# Altium PCB intercomm.PcbDoc (part 1 of 2) (continued)
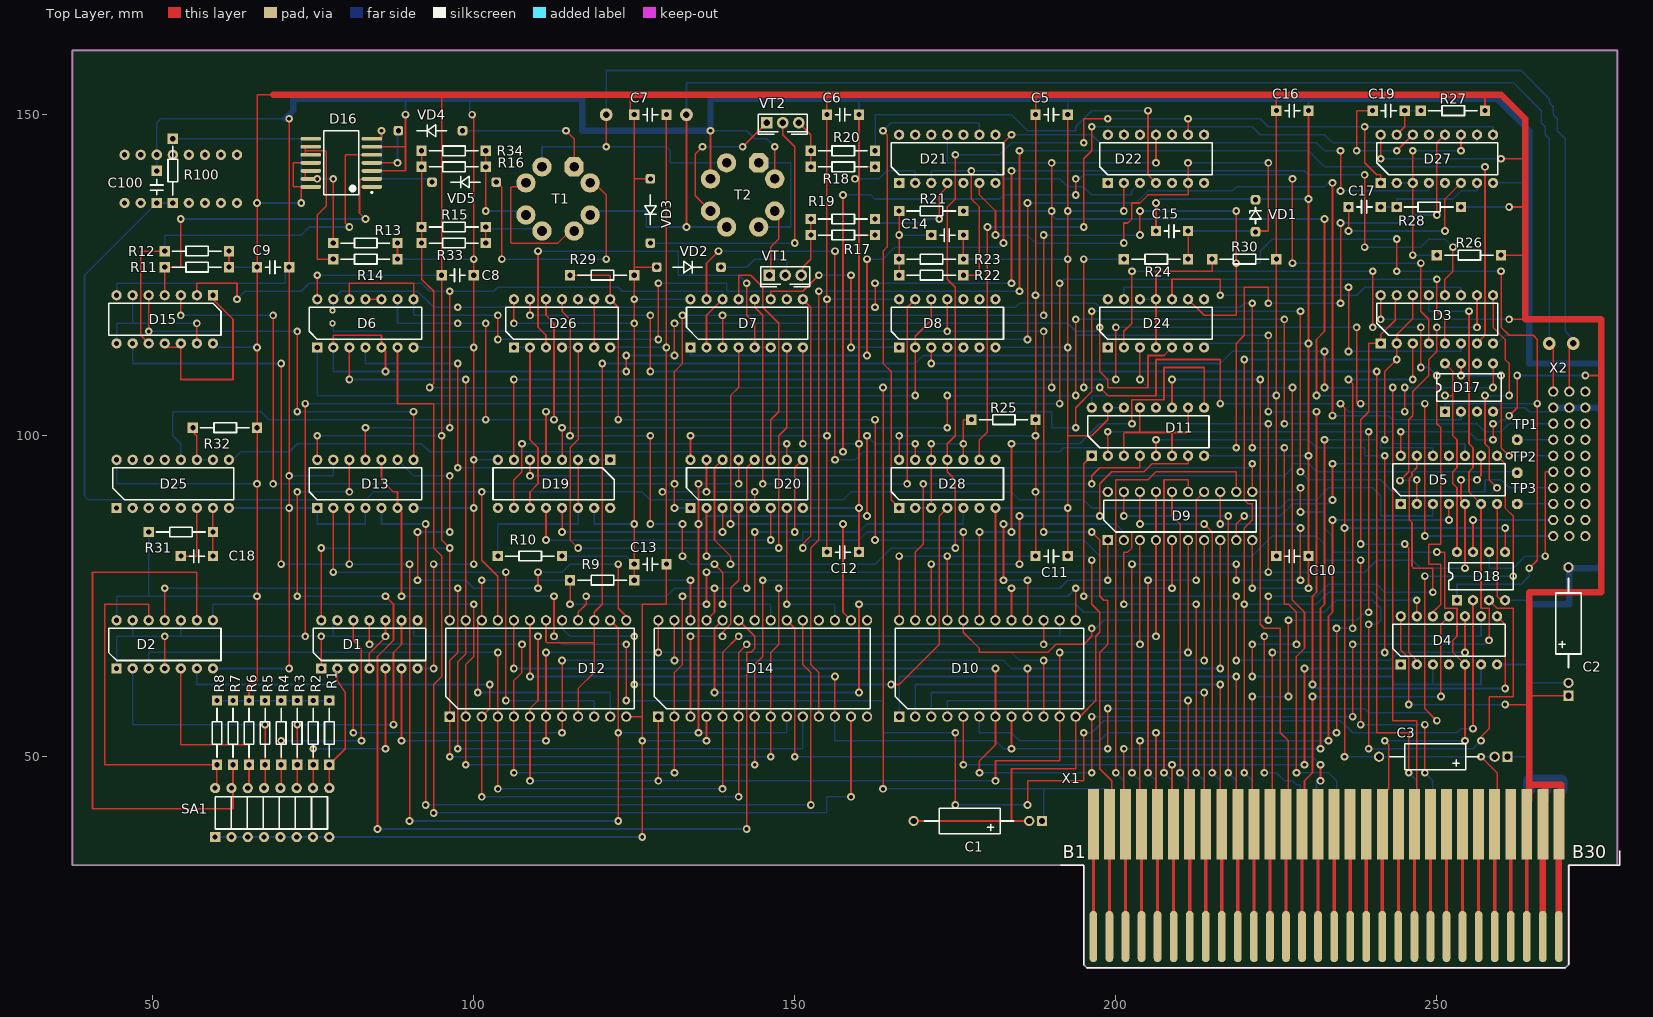
[diagram p0: Top Layer view]
## Free pads (board coordinates)
  round 1.6 hole 0.8: 1(45.625,136.25) 1(45.625,143.75) 1(48.125,136.25) 1(48.125,143.75) 1(53.125,143.75) 1(55.625,136.25) 1(55.625,143.75) 1(58.125,136.25) 1(58.125,143.75) 1(60.625,136.25) 1(60.625,143.75) 1(63.125,136.25) 1(63.125,143.75)
  round 1 hole 0.5: 1(78,117.5) 1(78,119.5)
  round 2 hole 1: 1(120.625,150) 1(133.125,150)

## Via types
v1: diameter 1.2, hole 0.6, Top Layer to Bottom Layer, 581 vias
v2: diameter 2, hole 1, Top Layer to Bottom Layer, 2 vias
v3: diameter 1.6, hole 0.8, Top Layer to Bottom Layer, 1 vias

## Nets (pads, with @x,y where several pads share a name; then routed paths per layer and width w, separated by ;. In a path a pad name is that pad's centre, name@x,y a point inside that pad or via, vN(x,y) a via of type N, cw(c..) or ccw(c..) an arc to the next point about the centre after c; other vN are vias at no path point)
+5В: C2.1 C5.1 C6.1 C7.1 C8.1 C9.1 C10.1 C11.1 C12.1 C13.1 C16.1 D1.14 D2.14 D3.16 D4.14 D5.14 D6.14 D7.16 D8.14 D9.20 D10.21 D10.24 D11.16 D12.24 D13.14 D14.26 D15.14 D16.11 D16.14 D19.15 D20.16 D24.14 D25.16 D26.14 D27.16 D28.14 pad.1@53.125,143.75 R1.1 R2.1 R3.1 R4.1 R5.1 R6.1 R7.1 R8.1 R9.2 R10.2 R11.2 R12.2 R25.2 R26.2 R27.2 R28.2 R29.2 R30.2 R31.1 R32.2 R100.2 VD2.1 VD3.1 X1.B28 X1.B29 X1.B30 | length 1407.7
  Top Layer w0.25: R11.2@61.875,126.25 R12.2@61.875,128.75 ; R6.1@65,58.75 65,61.25 65.625,61.25 66.25,61.875 v1(66.25,75) v1(66.25,92.5) v1(66.25,113.75) v1(66.25,136.25) 66.25,153.125 68.75,153.125 ; v1(73.125,136.25) D16.14@73.125,138.75 ; D16.14@74.375,138.75 D16.14@73.125,138.75 ; D16.11@74.375,142.5 71.875,142.5 71.875,138.75 D16.14@73.125,138.75 ; D13.14@75.625,96.25 v1(75.625,100) ; D6.14@75.625,121.25 v1(75.625,125) ; D1.14@76.25,71.25 v1(76.25,82.5) ; 95,153 v1(95,100) 95,83.75 v1(96.25,82.5) D12.24@96.25,71.25 ; v1(106.25,117.5) D26.14@106.25,121.25 ; 124.375,153.125 124.375,150 125,149.375 125,140 ; R9.2@125,77.5 C13.1@125,80 v1(125,86.25) v1(125,117.5) v1(125,121.25) R29.2@125,125 125,126.25 ; VD3.1@127.524,140 VD3.1@127.5,140 125,140 ; VD2.1@128.75,126.25 VD2.1@128.5,126.25 125,126.25 ; D14.26@133.75,71.25 v1(133.75,77.5) ; D20.16@133.75,96.25 v1(133.75,100) ; C12.1@155,81.875 v1(155,100) v1(155,121.25) 155,153.125 ; D10.24@166.25,71.25 v1(166.25,81.25) ; D28.14@166.25,96.25 v1(166.25,100) ; D10.21@173.75,71.25 v1(173.75,81.25) ; C11.1@187.5,81.25 v1(187.5,91.25) v1(187.5,100) v1(187.5,121.875) 187.5,153.125 ; C10.1@225,81.25 v1(225,106.25) 225,153.125 ; v1(241.25,118.125) D3.16@241.25,121.875 ; v1(241.25,143.125) D27.16@241.25,146.875 ; D4.14@244.375,71.875 244.375,66.625 245.625,65.375 v1(245.625,58.125) ; D5.14@244.375,96.875 v1(244.375,100.625) ; R27.2@257.5,150.625 257.5,153.125 ; v1(258.75,99.375) v1(258.75,101.875) ; R26.2@260,128.125 263.75,128.125 ; v1(260,143.125) 263.75,143.125 ; v1(260.625,58.125) 264.375,58.125 ; v1(261.25,103.125) 262.5,104.375 v1(262.5,109.375) ; v1(261.25,118.125) 263.75,118.125 ; v1(261.25,135.625) 263.75,135.625 ; 264.375,59.5 C2.1@270.5,59.5 ; v1(273.125,109.375) 275.625,109.375 ; 125,126.25 125,140
  Top Layer w1: 68.75,153.125 124.375,153.125 155,153.125 187.5,153.125 225,153.125 257.5,153.125 260,153.125 263.75,149.375 263.75,143.125 263.75,135.625 263.75,128.125 263.75,118.125 275.625,118.125 275.625,109.375 275.625,75.625 264.375,75.625 264.375,59.5 264.375,58.125 264.375,45.625 ; X1.B28@264.375,43.125 264.375,45.625 ; X1.B29@266.875,43.125 266.875,45.625 ; X1.B30@269.375,43.75 269.375,45.625 266.875,45.625 ; 264.375,45.625 266.875,45.625
  Bottom Layer w0.25: D2.14@44.375,71.25 44.375,75 49.375,75 ; D25.16@44.375,96.25 44.375,92.5 v1(66.25,92.5) ; R31.1@49.375,85 49.375,75 ; pad.1@53.125,143.75 R100.2@53.125,146.25 73.125,146.25 v1(73.125,136.25) v1(66.25,136.25) ; D15.14@59.375,113.75 65.625,113.75 ; R8.1@60,58.75 R1.1@77.5,58.75 ; R11.2@61.875,126.25 C9.1@66.25,126.25 ; 65.625,75 49.375,75 ; 75.625,82.5 v1(76.25,82.5) v1(96.25,82.5) ; v1(75.625,125) C8.1@95,125 ; 76.25,100 v1(95,100) ; v1(106.25,117.5) v1(125,117.5) ; R10.2@113.75,81.25 123.75,81.25 C13.1@125,80 ; D19.15@118.75,88.75 118.75,86.25 v1(125,86.25) ; R9.2@125,77.5 v1(133.75,77.5) ; v1(125,121.25) D7.16@133.75,121.25 ; v1(133.75,100) v1(155,100) ; v1(155,121.25) D8.14@166.25,121.25 ; v1(166.25,81.25) v1(173.75,81.25) C11.1@187.5,81.25 ; v1(166.25,100) v1(187.5,100) ; v1(187.5,91.25) D9.20@198.75,91.25 ; v1(187.5,121.875) 198.125,121.875 D24.14@198.75,121.25 ; D11.16@196.25,104.375 196.25,106.25 v1(225,106.25) ; v1(241.25,118.125) v1(261.25,118.125) ; v1(241.25,143.125) v1(260,143.125) ; 243.75,100.625 v1(244.375,100.625) 255,100.625 256.25,99.375 v1(258.75,99.375) ; 245,58.125 v1(245.625,58.125) v1(260.625,58.125) ; R28.2@253.75,135.625 v1(261.25,135.625) ; v1(258.75,101.875) 259.375,101.875 260,102.5 260.625,102.5 v1(261.25,103.125) ; v1(262.5,109.375) v1(273.125,109.375)
+12В: C1.1 D17.8 D18.8 D21.11 D22.11 R15.1 R16.1 R21.2 R33.1 R34.1 X1.A1 X1.A2 | length 454
  Top Layer w0.25: R34.1@91.875,145 91.875,124.375 93.75,122.5 93.75,108.125 v1(93.125,107.5) ; v1(163.75,45) v1(163.75,107.5) ; v1(190,107.5) v1(190,135) v1(190,142.5) ; v1(206.25,142.5) D22.11@206.25,146.875 ; v1(231.25,106.25) 231.25,115 232.5,116.25 v1(232.5,133.75) ; v1(251.25,106.25) 252.5,106.25 ; D17.8@251.25,111.25 252.5,110 252.5,100 253.125,99.375 253.125,95 252.5,94.375 252.5,92.5 253.125,91.875 D18.8@253.125,81.875
  Bottom Layer w0.25: v1(93.125,107.5) v1(190,107.5) ; v1(163.75,45) 196.25,45 ; D21.11@173.75,146.25 173.75,142.5 v1(190,142.5) v1(206.25,142.5) ; R21.2@176.25,135 189.375,135 190.625,133.75 v1(232.5,133.75) ; C1.1@188.75,40 188.75,45 ; X1.A1@196.25,43.125 196.25,45 ; X1.A2@198.75,43.125 198.75,45 196.25,45 ; v1(231.25,106.25) v1(251.25,106.25)
-12V: C3.2 D17.5 D18.5 R24.1 X1.B26 | length 225.7
  Top Layer w0.25: v1(195,107.5) v1(195,127.5) ; v1(197.5,107.5) 198.75,106.25 206.25,106.25 206.25,111.875 216.25,111.875 v1(216.25,105) ; v1(235,105) 235.625,104.375 v1(235.625,50) ; v1(245,103.75) v1(245,107.5) ; v1(256.875,50) 259.375,47.5 X1.B26@259.375,43.125 ; v1(258.75,107.5) D17.5@258.75,111.25 ; D18.5@260.625,81.875 v1(260.625,85.625)
  Bottom Layer w0.25: v1(195,107.5) v1(197.5,107.5) ; v1(195,127.5) R24.1@201.25,127.5 ; v1(216.25,105) v1(235,105) 236.25,103.75 v1(245,103.75) ; v1(235.625,50) v1(256.875,50) C3.2@259,50 ; v1(235.625,85.625) 260,85.625 ; v1(245,107.5) v1(258.75,107.5)
BA0: D5.10 X1.B3 | length 114.3
  Top Layer w0.25: v1(201.25,51.25) 201.25,43.75 X1.B3@201.875,43.125 ; v1(231.875,51.25) 231.875,73.125 232.5,73.75 v1(232.5,99.375)
  Bottom Layer w0.25: v1(201.25,51.25) v1(231.875,51.25) ; v1(232.5,99.375) 240.625,99.375 240.625,100.625 243.125,100.625 243.125,98.75 254.375,98.75 D5.10@254.375,96.875
BA1: D5.4 X1.B4 | length 93
  Top Layer w0.25: v1(203.75,52.5) 203.75,44.375 X1.B4@204.375,43.75 ; v1(233.125,52.5) 233.125,71.875 233.75,72.5 v1(233.75,86.875) ; v1(251.875,86.875) D5.4@251.875,89.375
  Bottom Layer w0.25: v1(203.75,52.5) v1(233.125,52.5) ; v1(233.75,86.875) 251.25,86.875
BA2: D3.3 D10.6 X1.B5 | length 142.8
  Top Layer w0.25: v1(206.25,53.75) 206.25,43.75 X1.B5@206.875,43.125 ; v1(234.375,53.75) v1(234.375,70) ; v1(236.25,108.75) 236.875,108.125 v1(236.875,70) ; v1(246.25,108.75) D3.3@246.25,114.375
  Bottom Layer w0.25: D10.6@178.75,56.25 178.75,53.75 183.75,53.75 185,52.5 197.5,52.5 198.75,53.75 v1(206.25,53.75) v1(234.375,53.75) ; v1(234.375,70) 236.25,70 ; v1(236.25,108.75) v1(246.25,108.75)
BA3: D4.1 D10.5 X1.B6 | length 96.1
  Top Layer w0.25: v1(176.25,48.75) D10.5@176.25,56.25 ; v1(208.75,48.75) 208.75,44.375 X1.B6@209.375,43.75 ; v1(229.375,48.75) v1(229.375,63.75)
  Bottom Layer w0.25: v1(176.25,48.75) v1(208.75,48.75) v1(229.375,48.75) ; v1(229.375,63.75) 243.75,63.75 D4.1@244.375,64.375
BA4: D10.4 X1.B7 | length 55.3
  Top Layer w0.25: v1(211.25,58.75) 211.25,44.375 X1.B7@211.875,43.75
  Bottom Layer w0.25: D10.4@173.75,56.25 173.75,58.75 v1(211.25,58.75)
BA5: D10.3 X1.B8 | length 62.8
  Top Layer w0.25: v1(213.75,60) 213.75,44.375 X1.B8@214.375,43.75
  Bottom Layer w0.25: D10.3@171.25,56.25 171.25,60 v1(213.75,60)
BA6: D10.2 X1.B9 | length 70.3
  Top Layer w0.25: v1(216.25,61.25) 216.25,44.375 X1.B9@216.875,43.75
  Bottom Layer w0.25: D10.2@168.75,56.25 168.75,61.25 v1(216.25,61.25)
BA7: D10.1 X1.B10 | length 77.5
  Top Layer w0.25: X1.B10@218.75,43.75 v1(218.75,62.5)
  Bottom Layer w0.25: D10.1@166.25,56.25 166.25,62.5 v1(218.75,62.5)
BA8: D11.2 X1.B11 | length 118.3
  Top Layer w0.25: D11.2@198.75,96.875 v1(198.75,100.625) ; v1(221.25,59.375) 221.25,43.75 X1.B11@221.875,43.125 ; 226.875,58.75 v1(226.875,71.25) ; v1(239.375,72.5) v1(239.375,100.625)
  Bottom Layer w0.25: v1(198.75,100.625) 238.75,100.625 ; v1(221.25,59.375) 226.25,59.375 ; v1(226.875,71.25) 237.5,71.25 238.75,72.5
  other v1: 226.875,59.375
BA9: D11.5 X1.B12 | length 109.9
  Top Layer w0.25: D11.5@206.25,96.875 v1(206.25,99.375) ; X1.B12@224.375,43.75 v1(224.375,66.25) ; v1(241.875,66.25) v1(241.875,96.875)
  Bottom Layer w0.25: v1(206.25,99.375) 230,99.375 231.25,98.125 238.75,98.125 238.75,96.875 241.25,96.875 ; v1(224.375,66.25) v1(241.875,66.25)
BA10: D11.11 X1.B13 | length 86.4
  Top Layer w0.25: D11.11@208.75,104.375 v1(208.75,108.75) ; v1(222.5,108.75) 222.5,70.625 223.125,70 225.625,70 225.625,53.75 226.875,52.5 X1.B13@226.875,43.75
  Bottom Layer w0.25: v1(208.75,108.75) v1(222.5,108.75)
BA11: D4.11 X1.B14 | length 49.8
  Top Layer w0.25: X1.B14@229.375,43.125 229.375,46.25 230.625,47.5 v1(230.625,59.375) ; v1(250.625,59.375) 250.625,70.625 D4.11@251.875,71.875
  Bottom Layer w0.25: v1(230.625,59.375) v1(250.625,59.375)
BD0: D9.12 X1.A3 | length 72.3
  Top Layer w0.25: v1(200,47.5) 200,93.125 205,93.125 206.25,94.375 218.75,94.375 D9.12@218.75,91.25
  Bottom Layer w0.25: v1(200,47.5) 201.25,46.25 X1.A3@201.25,43.75
BD1: D9.13 X1.A4 | length 91.4
  Top Layer w0.25: v1(202.5,47.5) v1(202.5,80) ; v1(216.25,86.25) D9.13@216.25,91.25 ; v1(218.75,77.5) v1(218.75,80) ; v1(228.75,77.5) v1(228.75,85.625)
  Bottom Layer w0.25: v1(202.5,47.5) 203.75,46.25 X1.A4@203.75,43.75 ; v1(202.5,80) v1(218.75,80) ; v1(216.25,86.25) 228.125,86.25 v1(228.75,85.625) ; v1(218.75,77.5) v1(228.75,77.5)
BD2: D9.14 X1.A5 | length 56
  Top Layer w0.25: v1(205,47.5) v1(205,77.5) ; v1(212.5,77.5) 212.5,90 D9.14@213.75,91.25
  Bottom Layer w0.25: v1(205,47.5) 206.25,46.25 X1.A5@206.25,43.75 ; v1(205,77.5) v1(212.5,77.5)
BD3: D9.15 X1.A6 | length 55.5
  Top Layer w0.25: v1(207.5,47.5) 207.5,93.125 211.25,93.125 D9.15@211.25,91.25
  Bottom Layer w0.25: v1(207.5,47.5) 208.75,46.25 X1.A6@208.75,43.75
BD4: D9.16 X1.A7 | length 48.5
  Top Layer w0.25: D9.16@208.75,91.25 208.75,87.5 210,86.25 210,81.25 v1(210,47.5)
  Bottom Layer w0.25: v1(210,47.5) 211.25,46.25 X1.A7@211.25,43.75
BD5: D9.17 X1.A8 | length 63.9
  Top Layer w0.25: v1(201.25,73.75) 201.25,81.875 201.875,81.875 202.5,82.5 202.5,85 206.25,85 D9.17@206.25,91.25 ; v1(212.5,47.5) v1(212.5,73.75)
  Bottom Layer w0.25: v1(201.25,73.75) v1(212.5,73.75) ; v1(212.5,47.5) 213.75,46.25 X1.A8@213.75,43.75
BD6: D9.18 X1.A9 | length 58.8
  Top Layer w0.25: v1(203.75,86.25) D9.18@203.75,91.25 ; v1(213.75,86.25) 215,85 215,48.125 215.625,47.5
  Bottom Layer w0.25: v1(203.75,86.25) v1(213.75,86.25) ; v1(215,47.5) 216.25,46.25 X1.A9@216.25,43.75
BD7: D9.19 X1.A10 | length 64.3
  Top Layer w0.25: v1(201.25,87.5) D9.19@201.25,91.25 ; v1(217.5,47.5) v1(217.5,87.5)
  Bottom Layer w0.25: v1(201.25,87.5) v1(217.5,87.5) ; v1(217.5,47.5) 218.75,46.25 X1.A10@218.75,43.75
D0: D1.3 D9.8 D10.9 D12.8 D14.27 | length 190.5
  Top Layer w0.25: v1(81.25,53.75) D1.3@81.25,63.75 ; v1(113.75,53.75) D12.8@113.75,56.25 v1(113.75,65) ; v1(131.25,65) D14.27@131.25,71.25 ; D10.9@186.25,56.25 v1(186.25,63.75) ; v1(216.25,63.75) D9.8@216.25,83.75
  Bottom Layer w0.25: v1(81.25,53.75) v1(113.75,53.75) ; v1(113.75,65) 182.5,65 183.75,63.75 v1(186.25,63.75) v1(216.25,63.75)
D1: D1.6 D9.7 D10.10 D12.7 D14.28 | length 183
  Top Layer w0.25: v1(88.75,52.5) D1.6@88.75,63.75 ; v1(111.25,52.5) D12.7@111.25,56.25 v1(111.25,66.25) ; v1(128.75,66.25) D14.28@128.75,71.25 ; D10.10@188.75,56.25 v1(188.75,65) ; v1(213.75,65) D9.7@213.75,83.75
  Bottom Layer w0.25: v1(88.75,52.5) v1(111.25,52.5) ; v1(111.25,66.25) 183.75,66.25 185,65 v1(188.75,65) v1(213.75,65)
D2: D1.8 D9.6 D10.11 D12.6 D14.1 | length 194.9
  Top Layer w0.25: v1(108.75,46.25) D12.6@108.75,56.25 108.75,57.5 110,58.75 v1(110,68.75) ; v1(128.75,46.25) D14.1@128.75,56.25 ; v1(181.25,46.25) 181.25,49.375 191.25,49.375 D10.11@191.25,56.25 v1(191.25,66.25) ; v1(211.25,66.25) D9.6@211.25,83.75
  Bottom Layer w0.25: D1.8@90.625,71.25 90.625,68.75 v1(110,68.75) ; v1(108.75,46.25) v1(181.25,46.25) ; v1(191.25,66.25) v1(211.25,66.25)
D3: D1.11 D9.5 D10.13 D12.5 D14.2 | length 190.3
  Top Layer w0.25: v1(83.75,67.5) D1.11@83.75,71.25 ; v1(106.25,47.5) D12.5@106.25,56.25 106.25,61.875 107.5,63.125 v1(107.5,67.5) ; v1(131.25,47.5) D14.2@131.25,56.25 131.25,63.125 132.5,64.375 v1(132.5,75) ; D10.13@193.75,71.25 v1(193.75,76.25) ; v1(208.75,76.25) D9.5@208.75,83.75
  Bottom Layer w0.25: v1(83.75,67.5) v1(107.5,67.5) ; v1(106.25,47.5) v1(131.25,47.5) ; v1(132.5,75) 192.5,75 v1(193.75,76.25) v1(208.75,76.25)
D4: D2.3 D9.4 D10.14 D12.4 D14.5 | length 220.4
  Top Layer w0.25: v1(103.75,45) D12.4@103.75,56.25 v1(103.75,66.25) ; v1(138.75,45) D14.5@138.75,56.25 138.75,66.25 v1(141.25,68.75) ; v1(206.25,68.75) D9.4@206.25,83.75
  Bottom Layer w0.25: D2.3@49.375,63.75 49.375,66.25 v1(103.75,66.25) ; v1(103.75,45) v1(138.75,45) ; v1(141.25,68.75) v1(206.25,68.75) ; 191.25,68.75 D10.14@191.25,71.25
D5: D2.6 D9.3 D10.15 D12.3 D14.6 | length 211.7
  Top Layer w0.25: v1(101.25,43.75) D12.3@101.25,56.25 102.5,57.5 v1(102.5,61.25) ; v1(141.25,43.75) D14.6@141.25,56.25 141.25,66.25 v1(142.5,67.5) ; v1(188.75,67.5) D10.15@188.75,71.25 ; v1(203.75,67.5) D9.3@203.75,83.75
  Bottom Layer w0.25: D2.6@56.875,63.75 56.875,61.25 v1(102.5,61.25) ; v1(101.25,43.75) v1(141.25,43.75) ; v1(142.5,67.5) v1(203.75,67.5)
D6: D2.8 D9.2 D10.16 D12.2 D14.7 | length 219.7
  Top Layer w0.25: v1(98.75,48.75) D12.2@98.75,56.25 ; 100,65.625 v1(100,73.75) ; v1(143.75,48.75) 143.75,64.375 145,65.625 v1(145,77.5) ; v1(182.5,77.5) v1(182.5,86.25) ; D10.16@186.25,71.25 v1(186.25,77.5)
  Top Layer w0.254: D12.2@98.75,56.25 98.75,64.375 100,65.625
  Bottom Layer w0.25: D2.8@59.375,71.25 59.375,73.75 v1(100,73.75) ; v1(98.75,48.75) v1(143.75,48.75) ; v1(145,77.5) v1(186.25,77.5) ; v1(182.5,86.25) 200,86.25 201.25,85 D9.2@201.25,83.75
D7: D2.11 D9.1 D10.17 D12.1 D14.8 | length 217.2
  Top Layer w0.25: D2.11@51.875,71.25 v1(51.875,76.25) ; v1(96.25,50) D12.1@96.25,56.25 96.25,65 97.5,66.25 v1(97.5,76.25) ; v1(146.25,50) D14.8@146.25,56.25 146.25,66.25 147.5,67.5 v1(147.5,76.25) ; D10.17@183.75,71.25 v1(183.75,76.25) ; v1(198.75,77.5) D9.1@198.75,83.75
  Bottom Layer w0.25: v1(51.875,76.25) v1(97.5,76.25) ; v1(96.25,50) v1(146.25,50) ; v1(147.5,76.25) v1(183.75,76.25) 191.25,76.25 192.5,77.5 v1(198.75,77.5)
DS#: D3.2 D3.14 D4.13 D5.12 X1.A11 | length 158.8
  Top Layer w0.25: v1(220,47.5) v1(220,73.75) 220,85.625 221.25,86.875 221.25,89.375 220.625,89.375 220,90 v1(220,111.875) ; v1(241.875,99.375) 241.875,110 v1(243.75,111.875) D3.2@243.75,114.375 243.75,115.75 246.25,118.25 D3.14@246.25,121.875 ; D4.13@246.875,71.875 v1(246.875,74.375)
  Bottom Layer w0.25: v1(220,47.5) 221.25,46.25 X1.A11@221.25,43.75 ; v1(220,73.75) 231.25,73.75 233.125,75.625 240,75.625 241.25,74.375 246.25,74.375 ; v1(220,111.875) v1(243.75,111.875) ; 241.25,99.375 241.25,98.125 249.375,98.125 D5.12@249.375,96.875
GND: C1.2 C2.2 C3.1 C5.2 C6.2 C7.2 C8.2 C9.2 C10.2 C11.2 C12.2 C13.2 C14.2 C15.1 C16.2 C100.2 D1.7 D2.7 D3.8 D4.7 D5.7 D6.7 D7.8 D8.7 D9.10 D10.12 D10.18 D11.8 D11.14 D11.15 D12.12 D13.1 D13.4 D13.7 D13.13 D14.4 D15.7 D16.3 D16.6 D17.4 D18.4 D19.8 D20.5 D20.8 D20.15 D21.2 D22.2 D24.7 D25.8 D26.7 D27.8 D28.7 R13.2 R14.2 R17.2 R18.2 R23.2 SA1.1 SA1.3 SA1.5 SA1.7 SA1.9 SA1.11 SA1.13 SA1.15 T2.3 T2.8 VD1.2 X1.A28 X1.A29 X1.A30 X2.A9 X2.B9 X2.C9 | length 1510.6
  Top Layer w0.25: v1(71.25,63.75) v1(71.25,88.75) v1(71.25,93.75) v1(71.25,149.375) ; D16.3@85.625,141.25 89.375,141.25 89.375,145 ; D16.6@85.625,145 89.375,145 ; R14.2@88.125,127.5 R13.2@88.125,130 ; v1(89.375,150) 89.375,145 ; v1(93.75,63.75) v1(93.75,80) ; v1(100,80) v1(100,88.75) v1(100,96.25) v1(100,113.75) v1(100,127.5) v1@100,150 ; D12.12@123.75,56.25 126.25,56.25 ; v1(126.25,37.5) v1(126.25,52.5) 126.25,56.25 ; C7.2@130,150 v1(130,113.75) C13.2@130,80 130,73.75 126.25,73.75 126.25,56.25 ; v1(136.25,52.5) D14.4@136.25,56.25 ; v1(136.25,91.25) D20.15@136.25,96.25 ; T2.3@136.875,140 v1(136.875,147.5) ; D20.5@143.75,88.75 v1(143.75,91.25) ; T2.8@146.875,140 v1(146.875,145) ; v1(151.25,98.75) D7.8@151.25,113.75 ; C12.2@160,81.875 v1(160,88.75) v1(160,98.75) 160,131.25 160,142 C6.2@160,150 ; C1.2@168.5,40 183.75,40 ; D10.18@181.25,71.25 D28.7@181.25,88.75 ; C1.2@186.5,40 183.75,40 ; C11.2@192.5,81.25 v1(192.5,88.75) 192.5,100 ; C5.2@192.5,150 v1(192.5,135) v1(192.5,127.5) v1(192.5,113.75) 192.5,100 ; v1(196.25,80.625) 196.25,73.75 197.5,72.5 197.5,69.375 196.875,68.75 196.875,58.75 194.375,56.25 D10.12@193.75,56.25 193.75,48.125 183.75,48.125 183.75,40 ; D11.15@198.75,104.375 198.75,102.5 196.25,100 192.5,100 ; v1(201.25,135) D22.2@201.25,139.375 ; C15.1@206.25,131.875 v1(206.25,136.25) ; v1(221.25,76.25) D9.10@221.25,83.75 ; 230,76.875 v1(230,96.875) v1(230,114.375) v1(230,136.875) C16.2@230,150.625 ; D5.7@259.375,89.375 259.375,75 260,74.375 D18.4@260.625,74.375
  Top Layer w0.254: 160,131.25 R17.2@162.5,131.25 ; 160,142 160.125,141.875 R18.2@162.5,141.875 ; R23.2@176.25,127.5 C14.2@176.25,131.25
  Bottom Layer w0.25: D15.7@44.375,121.25 D15.7@44.375,121.875 44.375,123.75 70.625,123.75 C9.2@70.625,126.25 ; C100.2@51.25,140.625 C100.2@50.625,141.25 v3(50.625,143.75) 50.625,148.75 51.25,149.375 70.625,149.375 v1(71.25,149.375) ; D2.7@59.375,63.75 v1(71.25,63.75) ; SA1.1@60,37.5 SA1.3@62.26,37.5 SA1.5@64.8,37.5 SA1.7@67.34,37.5 SA1.9@69.88,37.5 SA1.11@72.42,37.5 SA1.13@74.96,37.5 SA1.15@77.5,37.5 v1(126.25,37.5) ; D25.8@61.875,88.75 v1(71.25,88.75) D13.1@75.625,88.75 75.625,86.25 83.125,86.25 D13.4@83.125,88.75 ; v1(71.25,93.75) 78.125,93.75 D13.13@78.125,96.25 ; R14.2@88.125,127.5 99.375,127.5 ; v1(89.375,150) 89.375,152.5 ; D1.7@90.625,63.75 D1.7@91.25,63.75 v1(93.75,63.75) ; D13.7@90.625,88.75 v1(100,88.75) ; D6.7@90.625,113.75 99.375,113.75 ; v1(93.75,80) v1(100,80) ; v1@99.375,150 99.375,152.5 ; v1(100,96.25) D19.8@103.75,96.25 ; D26.7@121.25,113.75 v1(130,113.75) ; v1(126.25,52.5) v1(136.25,52.5) ; v1(129.375,91.25) v1(136.25,91.25) v1(143.75,91.25) ; 130,147.5 C7.2@130,150 ; v1(136.875,147.5) 142.5,147.5 143.75,146.25 145.625,146.25 v1(146.875,145) ; D20.8@151.25,88.75 v1(160,88.75) ; v1(151.25,98.75) v1(160,98.75) ; v1(159.375,140) 163.125,140 164.375,141.25 168.75,141.25 D21.2@168.75,138.75 ; C6.2@160,150 160,152.5 ; R23.2@176.25,127.5 v1(192.5,127.5) ; D28.7@181.25,88.75 v1(192.5,88.75) ; D8.7@181.25,113.75 v1(192.5,113.75) ; C11.2@192.5,81.25 195.625,81.25 v1(196.25,80.625) ; v1(192.5,135) v1(201.25,135) ; C5.2@192.5,150 192.5,152.5 ; D11.15@198.75,104.375 D11.14@201.25,104.375 ; v1(206.25,136.25) 206.875,136.875 v1(230,136.875) ; D11.8@213.75,96.875 v1(230,96.875) ; D24.7@213.75,113.75 214.375,114.375 v1(230,114.375) ; v1(221.25,76.25) v1(230,76.25) ; C16.2@230,150.625 230,152.5 ; D17.4@258.75,103.75 259.375,103.75 260,104.375 263.75,104.375 264.375,103.75 267.5,103.75 ; D3.8@258.75,114.375 259.375,114.375 260.625,115.625 264.375,115.625 264.5,115.5 ; D27.8@258.75,139.375 264.375,139.375 ; D4.7@259.375,64.375 263.75,64.375 264.375,63.75 ; C3.1@260.625,50 264.375,50 ; D18.4@260.625,74.375 263.75,74.375 264.375,73.75 ; 264.375,61.5 C2.2@270.5,61.5
  Bottom Layer w1: 70.625,149.375 71.875,150.625 71.875,152.5 89.375,152.5 99.375,152.5 116.875,152.5 116.875,147.5 130,147.5 v1(136.875,147.5) 136.875,152.5 160,152.5 192.5,152.5 230,152.5 259.375,152.5 264.375,147.5 264.375,139.375 264.375,115.625 264.375,111.25 275.625,111.25 275.625,103.75 ; 264.375,46.25 264.375,50 264.375,61.5 264.375,63.75 264.375,73.75 270.625,73.75 270.625,79.375 275,79.375 275.625,80 275.625,103.75 ; X2.C9@268.125,104.375 X2.B9@270.625,104.375 X2.A9@273.125,104.375 275,104.375 275.625,103.75
  Bottom Layer w2: 264.375,45 264.375,46.25 266.875,46.25 ; 266.875,45 266.875,46.25 ; 269.375,45 269.375,46.25 266.875,46.25
  other v1: 99.75,150
NetC14_1: C14.1 R21.1 R22.1 R23.1 | length 15
  Top Layer w0.25: R22.1@166.25,125 R21.1@166.25,135
  Bottom Layer w0.25: v1(166.25,131.25) C14.1@171.25,131.25
NetC15_2: C15.2 D21.6 D22.6 R24.2 VD1.1 | length 90.5
  Top Layer w0.25: D21.6@178.75,138.75 178.75,137.5 181.25,135 v1(181.25,131.25) ; v1(201.25,130) 201.25,133.125 201.875,133.125 202.5,133.75 202.5,136.25 203.75,136.25 205,137.5 211.25,137.5 D22.6@211.25,139.375 v1(211.25,142.5) ; R24.2@211.25,127.5 C15.2@211.25,131.875 ; VD1.1@221.25,131.875 223.75,131.875 v1(223.75,142.5)
  Bottom Layer w0.25: v1(181.25,131.25) 186.25,131.25 187.5,130 v1(201.25,130) ; C15.2@211.25,131.875 VD1.1@221.25,131.875 ; v1(211.25,142.5) v1(223.75,142.5)
NetC17_1: C17.1 D27.6 | length 27.3
  Top Layer w0.25: v1(236.25,131.875) C17.1@236.25,135.625 ; v1(251.25,131.875) 251.25,136.875 D27.6@253.75,139.375
  Bottom Layer w0.25: v1(236.25,131.875) v1(251.25,131.875)
NetC17_2: C17.2 D27.7 R28.1 | length 18
  Bottom Layer w0.25: C17.2@241.25,135.625 R28.1@243.75,135.625 243.75,136.875 252.5,136.875 253.75,138.125 256.25,138.125 D27.7@256.25,139.375
NetC18_1: C18.1 D25.6 | length 10.6
  Top Layer w0.25: 56.875,81.25 D25.6@56.875,88.75
  Top Layer w0.254: C18.1@53.75,81.25 56.875,81.25
NetC18_2: C18.2 D25.7 R31.2 | length 7.5
  Top Layer w0.25: C18.2@59.375,81.25 D25.7@59.375,88.75
NetC19_1: C19.1 D27.14 | length 18.5
  Top Layer w0.25: v1(237.5,144.375) 237.5,150.625 C19.1@240,150.625 ; v1(243.75,144.375) D27.14@246.25,146.875
  Bottom Layer w0.25: v1(237.5,144.375) v1(243.75,144.375)
NetC19_2: C19.2 D27.15 R27.1 | length 6.8
  Top Layer w0.25: D27.15@243.75,146.875 245,148.125 C19.2@245,150.625
  Bottom Layer w0.254: C19.2@245,150.625 R27.1@247.5,150.625
NetC100_1: C100.1 D5.3 D12.21 R100.1 | length 293.5
  Top Layer w0.25: v1(101.25,91.25) 101.25,80.625 103.75,78.125 D12.21@103.75,71.25
  Bottom Layer w0.25: R100.1@53.125,136.25 C100.1@50.625,136.25 39.375,125 39.375,90.625 40,90 83.125,90 84.375,91.25 v1(101.25,91.25) 126.25,91.25 127.5,90 157.5,90 158.75,91.25 183.75,91.25 185,90 195,90 196.25,88.75 225.625,88.75 226.875,90 231.25,90 233.125,91.875 240,91.875 241.25,90.625 241.25,87.5 249.375,87.5 D5.3@249.375,89.375
NetD1_1: D1.1 D1.4 D1.10 D1.13 D2.1 D2.4 D2.10 D2.13 D3.5 | length 314.9
  Top Layer w0.25: D2.4@51.875,63.75 v1(51.875,68.75) ; v1(73.75,68.75) v1(73.75,105) ; D1.1@76.25,63.75 v1(76.25,68.75) ; D1.4@83.75,63.75 83.75,66.115 86.25,68.615 v1(86.25,68.75) D1.10@86.25,71.25 ; v1(191.25,105) v1(191.25,123.75) ; v1(250,124.375) 250,119.375 251.25,118.125 D3.5@251.25,114.375
  Bottom Layer w0.25: D2.1@44.375,63.75 44.375,68.75 46.875,68.75 ; D2.13@46.875,71.25 46.875,68.75 ; D2.10@54.375,71.25 54.375,68.75 ; v1(73.75,105) v1(191.25,105) ; D1.13@78.125,71.25 78.125,68.75 ; v1(86.25,68.75) 78.125,68.75 ; v1(191.25,123.75) 191.875,124.375 v1(250,124.375) ; 46.875,68.75 v1(51.875,68.75) 54.375,68.75 ; 54.375,68.75 v1(73.75,68.75) v1(76.25,68.75) 78.125,68.75
NetD1_2: D1.2 R1.2 SA1.16 | length 20.2
  Top Layer w0.25: SA1.16@77.5,45 R1.2@77.5,48.75 80,51.25 80,60 78.75,61.875 D1.2@78.75,63.75
NetD1_5: D1.5 R2.2 SA1.14 | length 30.6
  Top Layer w0.25: SA1.14@75,45 R2.2@75,48.75 v1(75,51.25) ; v1(86.25,51.25) D1.5@86.25,63.75
  Bottom Layer w0.25: 74.375,51.25 v1(86.25,51.25)
NetD1_9: D1.9 R3.2 SA1.12 | length 41.8
  Top Layer w0.25: SA1.12@72.5,45 R3.2@72.5,48.75 v1(72.5,55) ; v1(87.5,55) 87.5,66.25 88.75,67.5 D1.9@88.75,71.25
  Bottom Layer w0.25: v1(72.5,55) v1(87.5,55)
NetD1_12: D1.12 R4.2 SA1.10 | length 39.3
  Top Layer w0.25: SA1.10@70,45 R4.2@70,48.75 v1(70,52.5) ; D1.12@81.25,71.25 81.25,68.125 82.5,66.875 v1(82.5,52.5)
  Bottom Layer w0.25: v1(70,52.5) v1(82.5,52.5)
NetD2_2: D2.2 R5.2 SA1.8 | length 38.7
  Top Layer w0.25: SA1.8@67.5,45 R5.2@67.5,48.75 v1(67.5,55)
  Bottom Layer w0.25: D2.2@46.875,63.75 46.875,55 66.875,55
NetD2_5: D2.5 R6.2 SA1.6 | length 29.4
  Top Layer w0.25: D2.5@54.375,63.75 54.375,51.875 65,51.875 R6.2@65,48.75 SA1.6@65,45